# KiCad board RASBB.kicad_pcb (continued)
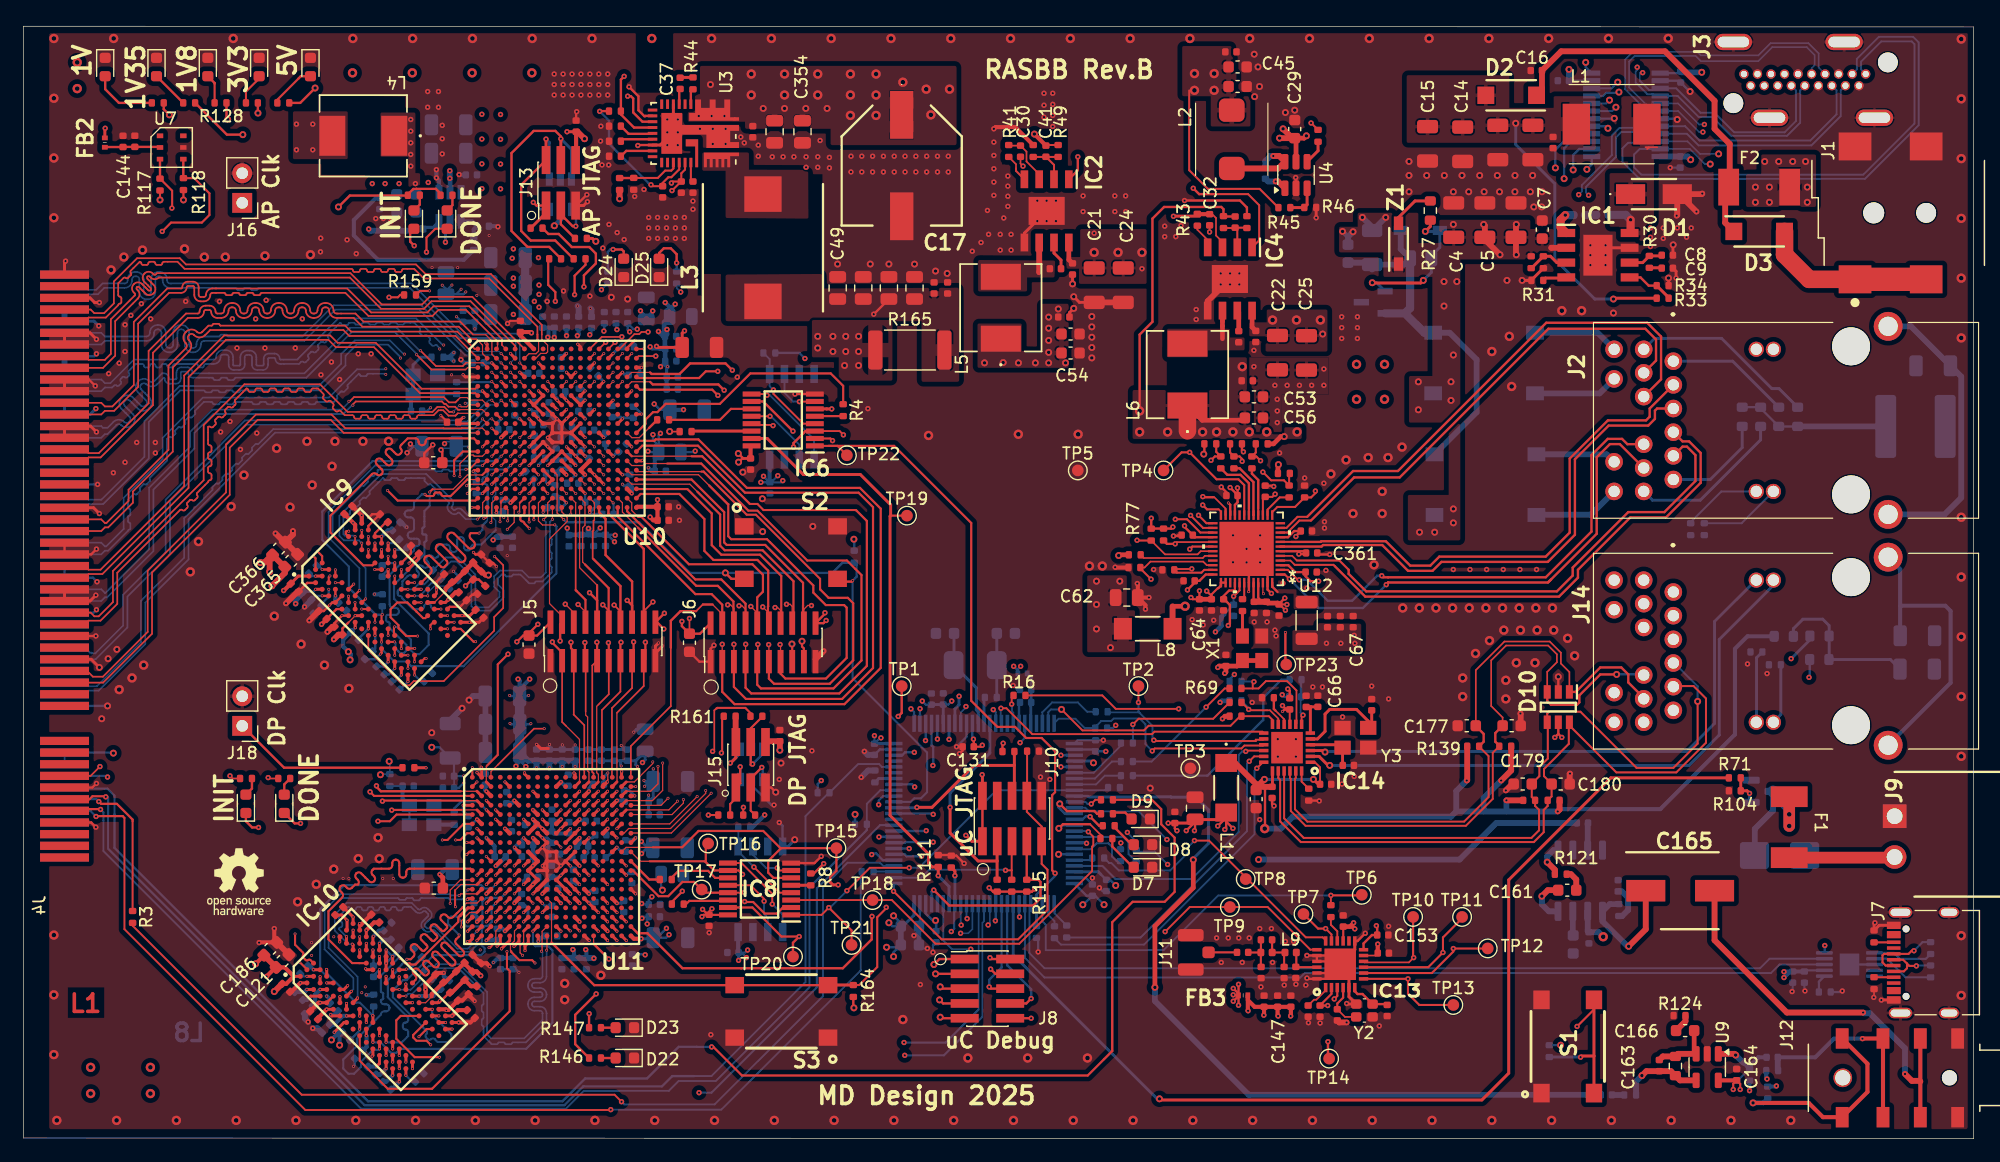
[diagram p0: board, top side]
## Routing (per net, layer and track width the routed paths; a pad name or vN(x,y) marks a point on that pad's centre or on a via; arc(x,y) is an arc through that point) (continued)
  Top w0.25: 111.04,30.4 v1(110.62,30.82) ; IC14.19 107.11,30.21
  Top w0.5: v4(131.57,28.07) 131.73,28.23 R142.2 ; R141.2 v4(127.17,29.02) ; 105.71,29.9 105.71,30.11 v1(106.42,30.82) ; 105.71,29.9 105.98,30.18 C174.1 ; 105.71,29.9 105.71,30.4 103.89,32.23 L11.1 ; v4(123.77,30.72) 123.81,30.76 R139.2 ; R140.2 127.58,31.58 v4(126.72,30.72)
  Bottom w0.25: v1(106.42,30.82) v1(110.62,30.82)
  Bottom w0.35: v4(131.57,28.07) 131.77,28.27 140.37,28.27 146.77,34.67 146.77,42.02 147.84,43.09 R143.1
  Bottom w0.5: 125.22,28.07 125.22,29.22 v4(126.72,30.72) ; 125.22,28.07 122.87,28.07 ; 125.22,28.07 127.17,28.07 ; 122.87,28.07 122.42,27.62 108.84,27.62 107.82,26.59 v3(106.44,26.59) ; 122.87,28.07 122.87,29.82 v4(123.77,30.72) ; 127.17,28.07 v4(131.57,28.07) ; 127.17,28.07 v4(127.17,29.02)
/POWER/12.8V: length 23.2
  Top w0.25: R33.1 136.41,72.09 v1(136.34,72.02)
  Bottom w0.25: v1(136.34,72.02) 134.75,72.02 131.32,75.44 131.32,81.92 127.97,85.27 v1(127.97,87.09)
/VSS_POE: length 32.5
  Bottom w0.5: D5.3 124.62,62.31 124.62,66.82 122.31,69.13 D4.3 ; C3.2 115.49,75.14 ; 115.66,74.55 R25.1 118.37,74.97 R26.1 118.11,76.31 U1.2
  Bottom w0.7: D4.3 120.13,69.13 118.47,70.79 ; 118.47,70.79 118.91,71.23 R26.1 ; 118.47,70.79 U2.2
GND: length 526.3
  Top w0.1: v2(50.12,31.37) 50.12,31.36 50.12,30.79 50.12,30.78 49.76,30.43
  Top w0.141: v4(85.72,83.42) 85.5,83.63 C30.2 ; C32.2 v4(101.72,77.77) ; IC9.J8 v2(33.54,47.69) ; v4(158.67,12.12) 158.7,12.14 R97.2
  Top w0.177: U10.U10 v2(46.57,54.54) ; C265.2 36.33,61.51 v2(35.8,62.04) ; C225.2 41.75,70.15 v4(41.52,69.92)
  Top w0.186: C80.2 29.58,52.56 IC9.B9 ; C87.2 33.23,50.2 IC9.G9
  Top w0.2: IC9.M1 30.72,41.67 v2(30.62,41.57) ; 105.09,50.39 U12.43 105.09,46.94 v2(105.07,46.92) ; C98.2 34.38,58.77 v4(35.11,59.51) ; IC13.20 110.08,15.71 v4(110.07,15.72) ; IC13.20 112.17,15.71 ; IC13.20 IC13.21 112.67,15.21 ; R111.1 79.52,24.33 R112.1 80,24.28 v4(80.67,23.61) ; C174.2 107.08,28.71 v4(107.24,28.55) ; C80.2 29.91,53.56 v2(29.62,53.27) ; v4(6.27,50.57) 5.82,50.12 J4.B25 J4.B26 ; U10.H3 v2(40.97,61.74) ; IC10.E2 IC10.E1 ; U10.H9 U10.G8 ; v1(64.52,29.72) 64.12,30.12 J15.5 ; IC9.P9 36.57,45.62 37.45,45.62 C94.2 38.49,46.66 38.6,46.66 38.67,46.73 C95.2 ; IC9.G1 v2(27.32,44.86) 26.68,44.22 C86.2 ; C173.2 108.59,38.41 v4(108.42,38.57) ; J4.A04 5.82,27.12 v4(6.22,26.72) ; v4(6.27,30.47) 5.92,30.12 J4.B07 ; v4(68.42,24.22) 67.84,23.64 IC8.8 ; 35.42,47.75 C77.2 ; 106.69,48.79 U12.47 106.69,47.1 v4(107.02,46.77) ; v4(99.57,80.47) 104.32,80.47 104.92,79.87 R52.1 ; v4(112.02,50.11) 111.08,50.11 ; U10.M5 v2(41.77,58.54) ; v2(38.57,57.24) 38.66,57.34 U10.P1 ; U10.J6 v2(42.57,61.74) ; v2(35.42,47.07) 35.42,46.74 IC9.M9 ; IC9.D1 v2(25.62,46.56) ; v4(80.02,33.62) C131.2 80.54,33.29 v4(80.27,33.02) ; IC13.13 114.41,16.96 v4(115.07,17.62) ; IC9.B3 v2(25.62,48.82) ; 25.04,47.67 24.35,47.67 C88.2 ; C363.2 103.16,55.45 v4(102.72,55.89) ; v4(110.07,13.77) 110.13,13.71 IC13.24 111.67,13.71 ; v4(111.12,28.97) 111.09,29 R134.1 ; C204.1 47.4,88.04 v4(47.45,88.09) ; v4(48.32,80.97) 47.39,80.04 J13.5 ; C358.2 99.24,51.77 99.21,51.74 99.02,51.74 98.97,51.69 v4(98.62,51.69) ; 57.31,86.56 U3.32/33 ; U3.16 52.73,85.23 v4(52.69,85.19) ; J4.B40 5.62,65.12 v4(6.17,64.57) ; J4.A18 v4(6.22,43.12) ; IC6.8 v4(66.17,63.87) ; IC13.23 112.17,14.21 ; U10.K7 v2(43.37,60.14) ; v2(40.57,49.09) 40.28,49.38 R89.2 39.26,50.1 ; D10.2 v1(131.62,39.62) ; C82.2 25.76,45.26 v2(26.27,45.77) 26.49,45.99 IC9.E1 IC9.E2 ; C68.2 107.16,56.01 v4(107.22,55.94) ; U10.K9 v2(44.97,60.14) ; U3.11 53.35,87.73 53.32,87.71 53.25,87.71 52.75,88.21 52.75,89.41 v4(51.94,90.22) ; v2(39.37,59.34) U10.L2 ; U10.J9 v2(45.77,61.74) ; v4(59.22,42.32) 58.93,42.03 J6.1 57.97,40.92 C126.1 ; C84.2 38.78,50.11 v2(38.59,50.29) ; 55.74,87.8 v4(56.12,87.42)
  Top w0.25: IC10.F9 v2(31.11,16.19) ; C93.2 39.08,44.3 IC9.T9 ; IC9.G8 v2(31.85,49.39) ; IC9.D8 v2(30.15,51.08) ; U11.J9 U11.K9 ; U11.J9 U11.J10 U11.K10 ; U11.J9 v2(44.5,25) ; U11.K9 U11.L9 ; U11.K9 U11.K10 ; U11.K9 v2(44.5,23.4) U11.L9 ; v4(158.77,18.52) 158.7,18.44 R98.2 159.14,18.3 J7.A12 ; U11.V13 48.5,17 ; v4(48.37,80.37) 48.04,80.04 J13.5 ; v1(90.07,71.22) 89.71,70.85 C50.2 ; U11.M9 U11.L9 ; U11.L9 U11.L8 ; U10.E14 v2(49.77,64.94) ; R34.2 141.08,73.81 v1(141.07,73.82) ; U10.J12 U10.K11 ; U10.K11 U10.L12 v2(48.17,59.34) ; U10.K11 U10.K10 ; U10.F7 v2(43.37,64.14) ; IC10.E1 v2(25.45,11.66) ; v4(3.62,75.27) 3.53,75.18 J4.A49 ; J4.B35 J4.B36 5.77,61.12 v4(6.27,60.62) ; U10.J10 U10.K10 ; U10.J10 v2(45.77,61.74) U10.H9 ; U10.J10 v2(46.57,61.74) U10.H11 ; U10.K10 U10.K9 U10.J9 U10.J8 v2(44.17,61.74) U10.H7 ; U10.K10 U10.L10 U10.L9 ; U11.J12 U11.K11 ; U11.K11 v2(46.9,23.4) ; U11.K11 v2(46.1,23.4) ; IC9.F9 v2(31.85,50.52) ; IC2.9 85.84,77.67 IC2.5 ; v2(32.23,13.88) 32.24,13.87 IC10.J8 ; U3.7 55.74,87.8 ; U10.N8 U10.M9 v2(44.97,59.34) U10.L8 U10.M7 ; U11.E4 v2(40.5,28.2) ; v4(6.52,71.72) 6.12,71.72 5.72,72.12 J4.B47 ; IC10.B3 v2(24.88,14.49) ; v1(89.97,73.32) 89.97,73.32 C27.2 ; J4.B16 5.82,41.12 v1(6.52,40.42) ; 49.76,30.43 49.7,30.36 U11.B15 v2(50.1,30.6) ; U10.G10 v2(45.77,63.34) U10.F9 ; U10.F11 U10.G12 v2(48.17,63.34) ; v2(37.71,65.53) 37.9,65.34 U10.D1 ; U10.H13 v2(48.97,62.54) ; IC10.G1 26.46,10.53 v2(26.36,10.63) ; IC9.J2 v2(29.58,43.73) ; v2(38.07,20.52) 38.15,20.6 U11.P1 ; v2(28.84,18.45) IC10.B9 ; IC10.A9 v2(28.28,19.02) 27.44,19.86 C112.2 ; U11.K10 v2(46.1,23.4) ; v2(46.1,23.4) U11.L10 ; v2(39.26,31.87) 39.3,31.83 U11.A2 v2(38.9,31.4) ; IC10.B1 v2(23.75,13.36) ; U10.R4 v2(40.97,56.14) ; U4.2 109.13,82.41 v4(109.1,82.44) ; v4(6.27,68.57) 5.72,69.12 J4.B44 J4.B43 ; v2(54.82,42.27) 54.2,41.65 ; U11.M5 v2(41.3,21.8) ; v2(49.77,56.14) U10.R14 v2(48.97,56.94) U10.P13 ; U11.F17 v2(50.9,26.6) ; v2(29.91,7.08) 29.97,7.14 IC10.M1 ; v1(128.52,73.62) 128.97,73.62 ; 128.97,73.62 129.29,73.62 R29.1 ; 128.97,73.62 R31.1 ; IC10.D8 v2(29.41,16.75) ; v1(90.07,72.22) 90.56,71.73 C21.2 ; U3.16 54.61,85.23 55.94,86.56 ; IC13.13 114.17,16.21 IC13.25 ; U11.M11 U11.N12 v2(47.7,21) ; U11.R4 v2(40.5,19.4) ; U11.C18 v2(52.43,29.4) ; U11.H3 v2(39.7,25.8) ; U11.N8 v2(43.7,21) ; U10.A2 39.77,68.14 v2(39.66,68.25) ; v2(47.37,56.94) U10.P11 U10.N10 ; U10.N12 v2(47.37,58.54) U10.M11 v2(46.57,59.34) ; U10.C8 v2(44.17,66.54) ; IC10.D1 24.65,12.23 v2(24.54,12.12) ; v2(46.57,65.74) U10.D11 v2(47.37,65.74) ; U11.N18 v2(52.5,21) ; U11.U10 v2(46.1,17.8) ; IC10.G8 v2(31.11,15.06) ; v2(47.22,31.37) 47.3,31.29 U11.A12 ; C9.2 141.72,74.4 v4(141.72,73.82) ; 48.13,17.4 v2(48.52,17.01) ; IC9.E8 v2(30.72,50.52) ; v4(6.52,53.62) 6.02,54.12 J4.B29 ; IC9.T1 v2(32.98,39.21) ; R46.1 v4(110.86,78.99) ; 45.02,33.47 44.37,33.47 v2(44.02,33.82) ; v2(40.54,53.69) 40.57,53.72 U10.V3 ; v4(6.22,46.62) 5.72,46.12 J4.B21 J4.B22 ; v2(44.5,25) U11.J8 ; v2(44.5,25) U11.H9 v2(44.5,25.8) U11.G8 ; IC10.E8 v2(29.97,16.19) ; IC10.T1 v2(32.24,4.87) ; U11.B5 v2(41.3,30.6) ; IC9.P1 v2(31.85,40.34) ; U11.H13 v2(48.5,25.8) ; U11.D11 v2(46.9,29) ; U11.V3 v2(39.7,17) ; U11.F11 v2(46.1,26.6) U11.G10 ; IC10.T9 v2(37.33,9.97) ; U11.F9 v2(44.5,27.4) ; U10.B15 v2(50.57,67.34) ; U11.F7 v2(42.9,27.4) ; IC10.J2 v2(28.84,9.4) ; U10.C18 52.99,66.14 v2(53,66.15) ; 34.49,12.77 v2(34.48,12.78) ; v2(47.7,26.6) U11.G12 U11.H11 ; IC10.P1 v2(31.11,6.01) ; IC1.7 135.66,76.41 ; U11.L2 v2(38.9,22.6) ; 113.67,14.21 IC13.5 113.67,12.17 Y2.2 113.52,11.54 v4(113.47,11.59) ; U11.J16 v2(50.9,25) ; v2(53.08,58.19) 53.03,58.14 U10.N18 ; IC10.G9 v2(31.67,15.62) ; v2(35.42,47.07) 35.42,47.75 ; U11.E14 v2(49.3,28.2) ; U11.P13 v2(48.5,20.2) U11.R14 v2(49.3,19.4) ; U11.L12 v2(47.7,22.6) ; U11.T7 v2(42.9,18.6) ; U10.B5 v2(41.77,67.34) ; U11.M15 v2(50.1,21.8) ; v2(47.54,68.15) 47.77,67.92 U10.A12 ; v2(54.47,42.52) 54.2,42.25 J5.19 ; v2(51.7,18.6) U11.T17 ; v2(46.9,20.2) U11.P11 v2(46.1,21) U11.N10 ; v4(159.32,11.89) 159.33,11.9 J7.A1 ; U11.J6 v2(42.1,25) ; U10.J16 v2(51.37,61.74) ; U11.C8 v2(43.7,29.8) ; U10.E4 v2(40.97,64.94) ; U11.D1 v2(37.72,28.6) ; U10.T7 v2(43.37,55.34) ; C8.2 141.45,76.65 v1(141.47,76.67) ; U11.M7 v2(42.9,21.8) ; U10.F17 v2(52.17,64.14) ; v2(50.57,58.54) U10.M15 ; J4.B40 J4.B39 ; U10.V13 v2(48.57,53.72) ; U11.K7 v2(42.9,23.4) ; U11.H7 v2(42.9,25.8)
  Top w0.35: C62.2 96.22,45.76 v4(96.22,45.42) ; C62.2 96.51,46.41 v4(96.52,46.42) ; C62.2 95.56,47.58 v4(95.52,47.62) ; v2(38.71,11.8) 38.19,12.32 C118.2 37.64,11.85 C117.2 36.47,11.05 36.27,11.05 36.22,11.1 IC10.P9 ; v2(36.06,14.22) 35.48,14.22 C100.2 34.48,13.22 v2(34.48,12.78) 34.5,12.76 IC10.M9 ; C116.2 38.34,9.97 37.33,9.97 v2(37.33,9.97) ; C103.2 28.94,18.33 28.84,18.33 ; IC10.F9 v2(31.11,15.06) ; v4(93.62,49.02) 93.65,48.99 R74.1 ; C111.2 22.99,12.6 v2(23.75,13.36) ; v4(21.52,18.02) 21.52,17.04 C186.2 20.24,16.84 v4(20.22,16.82) ; U10.T17 v2(52.17,55.34) ; IC9.A9 29.02,53.45 28.26,54.21 ; R50.1 85.05,86.77 83.37,86.77 v4(83.22,86.62) ; v2(25.45,11.66) 25.32,11.66 C105.2 ; v2(39.99,14.78) 39.72,15.05 R95.2 38.52,15.77 C107.2 ; U11.M9 U11.N8 ; U10.L9 v2(44.97,60.14)
  Top w0.4: 108.87,87.37 C29.2
  Top w0.5: v4(143.97,81.07) 143.92,81.02 D1.2 141.82,79.22 v4(141.77,79.17) ; C180.2 132.59,31.29 v4(132.62,31.32) ; C86.2 26.51,43.91 v4(26.07,43.47) ; C186.2 C121.2 ; v4(21.62,51.92) 22.37,51.17 C366.2 ; C21.2 C24.2 ; C149.2 112.84,9.97 v4(113.47,9.97) ; v4(24.52,44.45) C82.2 ; 127.67,30.42 v4(127.12,29.87) ; v4(22.52,45.92) 23.53,46.93 C88.2 ; C366.2 23.12,51.82 v4(23.12,52.12) ; C366.2 C365.2 ; 141.97,81.02 v4(143.47,79.52) ; C178.2 128.4,36.44 v4(128.37,36.47) ; 67.93,41.13 v2(68.63,41.83) ; IC4.9 101.56,71.83 IC4.5
  In3.Cu w0.2: v4(51.94,90.22) 52.32,89.84 52.32,89.27 51.32,88.27 51.32,83 56.96,77.37 56.96,74.45 57.78,73.63 72.83,73.63 v1(74.22,75.02)
  Bottom w0.177: C280.2 48.44,24.51 C287.2
  Bottom w0.186: IC12.74 76.88,18.3 ; v2(31.85,49.39) 31.83,49.37 30.97,49.37 C96.2 ; C134.2 152.72,12.72 v4(152.77,12.67) ; C143.2 78,16.57 v4(78,15.99) ; v4(151.67,12.62) 151.72,12.67 C136.2 ; IC12.26 90.41,34.18 C133.2 v4(92.61,34.18) ; v4(76.37,17.42) 76.79,17.84 ; v4(77.52,16.32) 77.09,16.32 ; U6.3 U6.11 ; v4(155.97,12.67) 155.88,12.58 R101.1 ; v2(31.85,50.52) 32.72,50.52 C85.2 ; v4(141.22,83.29) C123.2
  Bottom w0.2: J4.A20 6.02,45.12 v4(6.27,45.37) ; 32.3,38.53 v2(32.98,39.21) ; v4(57.61,58.98) 57.52,58.89 C221.2 ; C231.2 38.82,56.99 v2(38.57,57.24) ; v4(80.02,33.62) 80.88,34.48 IC12.10 ; v2(30.62,41.57) 30.18,41.13 C81.2 ; IC11.6 136.4,87.49 v1(136.42,87.52) ; 45.66,57.19 46.03,57.56 C190.2 ; v4(64.82,27.12) 65.1,26.83 IC7.4 ; v4(91.67,22.37) C129.2 91.08,22.39 IC12.49 ; C137.2 73.45,33.39 IC12.99 ; C124.2 142.89,89.82 v1(142.92,89.82) ; J4.A49 3.53,75.18 v4(3.62,75.27) ; C141.2 92.55,21.24 v4(92.27,21.52) ; J4.A04 5.82,27.12 v4(6.22,26.72) ; v4(6.32,47.77) 5.97,48.12 J4.A23 J4.A24 ; v1(141.82,87.42) 141.75,87.49 IC11.19 ; v4(87.02,16.02) 87.02,17.07 R113.2 ; C311.2 C312.2 42.23,14.54 v2(42.5,14.27) ; J4.A31 v4(6.37,56.12) ; v4(32.9,58.84) 33.46,59.39 C226.2 33.39,59.39 v4(33.19,59.59) ; D12.2 62.45,30.32 64.15,28.62 v4(64.37,28.62) ; v2(31.85,40.34) 31.34,39.83 C97.2 ; v2(25.62,48.82) 25.29,49.16 C83.2 ; C239.2 47.36,56.94 v2(47.37,56.94) ; IC12.19 85.38,37.34 ; v2(31.11,15.06) v2(31.67,15.62) v2(31.11,16.19) ; IC11.14 141.97,90.74 ; 38.54,63.14 38.48,63.08 v2(37.89,63.08) ; v2(28.31,6.2) 28.42,6.31 C104.2 ; C119.2 30.03,16.13 v2(29.97,16.19) ; C91.2 25.04,46.56 v2(25.62,46.56) ; C130.2 85.22,38.52 v4(84.87,38.87) ; v2(34.92,62.69) 34.65,62.42 C258.2 ; 46.72,27.22 v2(46.1,26.6) ; R84.2 37.24,48.32 v2(36.89,48.67) ; v2(43.37,60.14) 43.66,60.14 ; v4(51.94,90.22) 52.01,90.14 ; 28.76,42.91 v2(29.58,43.73) ; J4.A12 v1(7.22,37.12) ; J4.A42 6.07,67.12 v4(6.27,67.32) ; J4.A18 v4(6.22,43.12) ; 28.84,9.28 C99.2
  Bottom w0.25: 43.77,56.52 43.77,55.62 43.49,55.34 v2(43.37,55.34) ; v2(51.37,56.14) 51.5,56.01 C233.2 ; C194.2 C207.2 46.09,61.26 v2(46.57,61.74) ; 47.83,59 v2(47.37,58.54) ; C285.2 45.03,25.09 C291.2 ; C285.2 44.94,25 v2(44.5,25) ; C285.2 44.92,25.8 v2(44.5,25.8) ; 44.6,61.31 v2(44.17,61.74) 44.17,61.92 C209.2 43.55,62.54 v2(43.37,62.54) ; C229.2 41.13,53.36 v2(41.19,53.29) ; v2(42.9,25.8) 42.76,25.66 C281.2 42.3,25.2 v2(42.1,25) 42.1,24.85 C289.2 ; 47.84,59.01 v2(48.17,59.34) ; C189.2 44.17,57.79 v2(44.17,57.74) ; C346.2 37.72,28.1 v2(37.72,28.6) ; C187.2 52.59,35.12 v2(52.34,34.87) ; C75.2 40.72,61.49 v2(40.97,61.74) ; v2(45.77,63.34) 45.77,63.52 45.52,63.77 C201.2 ; C338.2 51.27,24.63 v2(50.9,25) ; C277.2 42.9,22.14 v2(42.9,21.8) ; C196.2 42.44,61.74 v2(42.57,61.74) ; C287.2 48.04,23.86 ; C235.2 51.15,67.92 v2(50.57,67.34) ; J4.A38 J4.A37 5.72,62.12 v4(6.22,62.62) ; v2(50.12,31.37) 49.79,31.04 C339.2 ; 45.02,62.19 45.47,61.74 v2(45.77,61.74) ; C336.2 48.79,25.8 v2(48.5,25.8) 48.44,25.74 C280.2 ; C326.2 48.6,20.3 v2(48.5,20.2) ; v4(6.47,69.72) 6.07,70.12 J4.A45 ; v2(44.02,33.82) 44,33.8 C297.2 C290.2 ; v2(50.9,25) 50.01,24.11 ; v2(50.9,25) 50.9,24.99 ; v2(38.07,20.52) 38.32,20.52 C313.2 ; 49.29,65.42 v2(49.77,64.94) ; C254.2 49.92,59.19 v2(50.57,58.54) 50.96,58.93 ; C234.2 51.46,61.83 v2(51.37,61.74) 51.22,61.89 C243.2 ; C255.2 49.15,54.3 v2(48.57,53.72) 48.73,53.56 C236.2 ; C293.2 45.86,21.24 v2(46.1,21) ; v2(48.17,63.34) 48.13,63.38 C261.2 ; C301.2 46.21,33.76 v2(46.22,33.77) ; 49.17,28.07 v2(49.3,28.2) ; 47.1,23.2 v2(46.9,23.4) ; C299.2 45.11,33.81 v2(45.12,33.82) ; v2(40.54,53.69) 41,53.69 ; C242.2 52.86,66.01 v2(53,66.15) ; v1(66.15,25.64) 65.56,25.06 IC7.4 ; C335.2 51.96,29.87 v2(52.43,29.4) ; 51.61,33.38 v2(51.27,33.72) ; v2(42.9,18.6) 43.28,18.98 43.28,19.73 42.99,20.02 C316.2 ; C298.2 v2(47.32,33.77) ; C230.2 46.15,54.12 v2(46.57,54.54) 46.02,55.09 C222.2 45.9,54.78 C230.2
  Bottom w0.35: C120.2 30.6,5.5 v2(31.11,6.01) ; C108.2 32.18,16.13 v2(31.67,15.62) ; R92.2 30.02,12.36 29.97,12.31 29.44,12.31 v2(29.41,12.34) ; R48.2 40.65,78.27 v4(40.69,78.22) ; C31.2 37.4,82.67 v4(37.37,82.69) ; C233.2 52.17,55.85 v2(52.17,55.34) ; v2(30.11,46.71) 30.13,46.69 R86.2 ; v4(35.42,83.12) v4(35.42,82.42) 35.64,82.2 IC3.1 ; R90.2 36.42,13.58 36.06,13.94 v2(36.06,14.22) ; v2(39.7,17) 39.75,17.05 C314.2 ; C101.2 31.56,4.2 v2(32.24,4.87) ; v2(26.36,10.63) 26.65,10.63 C238.2 ; v4(37.52,66.82) 37.79,66.55 C203.2 ; C114.2 24.33,11.9 v2(24.54,12.12) ; v2(32.88,52.46) 32.83,52.46 32.43,52.86 ; v2(24.88,14.49) 24.55,14.83 C106.2 ; 46.75,57.56 v2(47.37,56.94) ; C315.2 40.41,25.09 v2(39.7,25.8)
  Bottom w0.4: v1(45.54,78.31) 46.05,78.82 D11.2 ; C127.2 C128.2
  Bottom w0.5: C137.2 72.4,32.92 72.12,33.2 ; C223.2 48.72,71.12 v2(48.62,71.22) ; C91.2 24.71,46.21 v4(24.12,45.62) ; v2(47.52,71.42) 47.62,71.32 C224.2 ; C199.2 36.6,35.9 v1(37.62,36.92) ; v4(24.82,9.47) 25.23,9.47 C109.2 ; v4(24.42,10.02) 24.14,10.3 C102.2 ; v1(38.22,37.62) 38.57,37.97 39.6,37.97 39.62,37.95 C303.2 C304.2 ; R105.2 72.43,31.58 v4(71.85,31) ; J4.A45 J4.A46 ; J4.A41 J4.A42
  vias: v1(6.72,36.02) v1(7.27,41.17) v1(8.02,41.97) v1(35.02,34.82) v1(50.42,72.17) v1(51.82,72.02) v1(61.69,57.17) v1(63.37,54.89) v1(63.4,52.07) v1(64.97,32.22) v1(67.69,52.52) v1(69.82,75.02) v1(72.62,75.02) v1(76.42,75.02) v1(78.22,74.42) v1(79.22,74.22) v1(91.62,70.52) v1(91.62,69.63) v1(91.62,68.74) v1(91.62,67.86) v1(91.62,66.97) v1(96.63,30.07) v1(105.54,93.02) v1(105.58,89.38) v1(105.87,91.93) v1(106,90.25) v1(108.22,88.02) v1(109.02,88.22) v1(118.82,83.82) v1(118.82,82.62) v1(118.82,81.22) v1(120.33,82.62) v1(121.85,82.62) v1(122.62,81.22) v1(123.36,82.62) v1(123.94,81.22) v1(124.88,82.62) v1(125.26,81.22) v1(126.39,82.62) v1(126.58,81.22) v1(127.22,73.62) v1(127.91,82.62) v1(127.9,81.22) v1(129.22,81.22) v1(129.42,82.62) v1(129.52,79.92) v1(130.22,81.22) v1(130.19,79.92) v1(136.34,70.82) v2(24.72,16.82) v2(24.72,15.72) v2(26.62,17.32) v2(27.42,22.32) v2(27.92,22.32) v2(29.02,53.47) v2(29.02,12.52) v2(29.32,13.02) v2(30.82,22.32) v2(31.72,22.32) v2(35.04,74.72) v2(36.27,11) v2(36.72,65.52) v2(37.25,74.72) v2(37.36,45.69) v2(38.24,44.3) v2(38.89,72.33) v2(39.94,77.47) v2(41.49,50.01) v3(2.62,94.37) v3(2.62,89.24) v3(2.62,84.12) v3(2.62,78.99) v3(2.62,17.46) v3(2.62,12.34) v3(2.62,7.21) v3(2.87,1.57) v3(7.52,74.52) v3(7.75,94.37) v3(8,1.57) v3(8.22,38.52) v3(8.62,75.62) v3(9.32,39.52) v3(10.22,76.22) v3(10.32,40.62) v3(13.12,1.57) v3(13.82,76.32) v3(14.32,48.62) v3(15.02,51.22) v3(15.52,75.62) v3(17.32,75.62) v3(17.82,54.22) v3(18,94.37) v3(18.25,1.57) v3(18.92,56.92) v3(20.72,75.72) v3(21.52,44.82) v3(21.72,59.22) v3(22.87,54.17) v3(23.38,1.57) v3(23.52,20.32) v3(23.82,42.42) v3(24.32,59.82) v3(24.62,75.82) v3(24.77,56.07) v3(25.12,21.82) v3(25.82,40.62) v3(26.47,57.67) v3(26.62,23.12) v3(26.72,59.82) v3(27.92,38.62) v3(28.25,94.37) v3(28.5,1.57) v3(28.72,24.02) v3(29.12,59.82) v3(30.42,25.82) v3(30.52,24.02) v3(31.32,59.82) v3(33.38,94.37) v3(33.63,1.57) v3(38.51,94.37) v3(38.76,1.57) v3(43.64,94.37) v3(43.89,1.57) v3(46.42,13.32) v3(46.42,11.92) v3(48.76,94.37) v3(49.01,1.57) v3(49.52,14.02) v3(53.89,94.37) v3(54.14,1.57) v3(59.02,94.37) v3(59.27,1.57) v3(64.14,94.37) v3(64.39,1.57) v3(69.27,94.37) v3(69.52,1.57) v3(74.4,94.37) v3(74.65,1.57) v3(75.42,10.22) v3(77.62,60.32) v3(79.53,94.37) v3(79.78,1.57) v3(80.99,6.92) v3(84.65,94.37) v3(84.9,1.57) v3(85.32,60.42) v3(86.12,6.92) v3(89.78,94.37) v3(90.03,1.57) v3(90.45,60.42) v3(91.25,6.92) v3(91.42,49.12) v3(92.52,49.12) v3(94.91,94.37) v3(95.16,1.57) v3(100.03,94.37) v3(100.28,1.57) v3(105.16,94.37) v3(105.41,1.57) v3(110.29,94.37) v3(110.54,1.57) v3(112.12,57.02) v3(113.42,58.22) v3(114.02,53.62) v3(115.32,58.42) v3(115.41,94.37) v3(115.66,1.57) v3(115.82,49.22) v3(116.52,55.52) v3(116.52,53.62) v3(117.02,58.42) v3(118.22,59.32) v3(118.28,45.52) v3(119.7,45.52) v3(120.54,94.37) v3(120.79,1.57) v3(121.13,45.52) v3(122.56,45.52) v3(123.42,39.52) v3(123.42,37.92) v3(123.98,45.52) v3(124.52,41.62) v3(125.41,45.52) v3(125.67,94.37) v3(125.72,42.72) v3(125.92,67.52) v3(125.92,1.57) v3(126.84,45.52) v3(126.95,43.62) v3(127.12,39.32) v3(127.12,37.72) v3(127.42,68.82) v3(127.62,64.52) v3(128.02,40.82) v3(128.27,45.52) v3(128.37,43.62) v3(129.62,40.82) v3(129.69,45.52) v3(129.8,43.62) v3(130.79,94.37) v3(131.04,1.57) v3(131.12,45.52) v3(131.23,43.62) v3(131.92,71.02) v3(132.42,42.92) v3(133.02,41.42) v3(133.62,71.02) v3(135.92,94.37) v3(136.17,1.57) v3(141.05,94.37) v3(141.3,1.57) v3(146.43,1.57) v3(151.55,1.57) v3(166.17,94.32) v3(166.17,89.19) v3(166.17,84.07) v3(166.17,78.94) v3(166.17,73.81) v3(166.17,68.69) v3(166.17,53.3) v3(166.17,48.18) v3(166.17,43.05) v3(166.17,37.92) v3(166.17,32.8) v3(166.17,17.41) v3(166.17,12.29) v4(7.32,65.62) v4(7.72,57.12) v4(8.22,66.52) v4(8.72,69.82) v4(8.72,67.52) v4(8.72,58.02) v4(9.22,70.62) v4(9.72,59.72) v4(10.12,71.62) v4(10.92,70.32) v4(11.32,59.72) v4(11.32,58.82) v4(13.92,71.82) v4(16.82,71.82) v4(16.92,60.62) v4(17.72,61.52) v4(17.92,70.32) v4(18.32,67.82) v4(18.62,59.12) v4(19.92,70.32) v4(20.02,60.52) v4(20.72,67.82) v4(20.82,71.92) v4(23.32,67.82) v4(23.92,70.32) v4(25.5,77.24) v4(25.48,76.07) v4(25.52,65.52) v4(26.42,66.62) v4(27.12,65.12) v4(27.76,77.1) v4(28.55,75.91) v4(28.72,67.32) v4(29.82,67.32) v4(30.22,78.92) v4(30.87,78.92) v4(31.52,78.67) v4(34.67,89.82) v4(34.67,88.47) v4(35.6,89.82) v4(35.6,88.47) v4(35.92,86.92) v4(35.92,85.77) v4(35.92,84.47) v4(44.92,71.82) v4(45.52,91.32) v4(45.52,90.42) v4(45.52,89.52) v4(46.29,91.32) v4(46.29,90.42) v4(46.29,89.52) v4(46.32,72.71) v4(47.05,91.32) v4(47.05,90.42) v4(47.05,89.52) v4(47.82,91.32) v4(47.82,90.42) v4(47.82,89.52) v4(48.58,91.32) v4(48.58,90.42) v4(48.58,89.52) v4(48.58,72.27) v4(49.35,91.32) v4(49.35,90.42) v4(49.35,89.52) v4(49.52,86.84) v4(49.5,85.57) v4(49.62,83.52) v4(49.69,76.39) v4(50.11,91.32) v4(50.11,90.42) v4(50.11,89.52) v4(50.19,83.52) v4(50.22,78.42) v4(50.92,77.72) v4(51.52,77.12) v4(52.42,80.82) v4(53.22,81.42) v4(53.62,79.02) v4(53.62,78.12) v4(53.62,77.22) v4(54.39,79.02) v4(54.39,78.12) v4(54.39,77.22) v4(55.15,79.02) v4(55.15,78.12) v4(55.15,77.22) v4(55.22,87.42) v4(55.22,86.32) v4(55.22,85.22) v4(55.92,79.02) v4(55.92,78.12) v4(55.92,77.22) v4(56.12,86.32) v4(56.12,85.22) v4(56.19,54.2) v4(56.26,53.04) v4(56.68,79.02) v4(56.68,78.12) v4(56.68,77.22) v4(57.42,80.42) v4(57.42,79.72) v4(58.02,86.62) v4(58.81,17.67) v4(58.95,8.92) v4(59.12,86.62) v4(59.12,85.32) v4(60.22,86.62) v4(60.22,85.32) v4(61.22,65.32) v4(61.52,85.92) v4(61.82,85.42) v4(63.02,85.22) v4(63.02,84.27) v4(64.22,84.22) v4(64.82,30.82) v4(65.15,84.22) v4(66.07,84.22) v4(67.12,84.22) v4(67.12,83.32) v4(67.62,33.27) v4(68.12,84.22) v4(68.12,83.32) v4(68.32,85.62) v4(69.12,84.17) v4(69.12,83.27) v4(70.97,84.27) v4(70.97,82.92) v4(71.9,84.27) v4(71.9,82.92) v4(72.12,33.22) v4(72.42,62.62) v4(72.82,84.27) v4(72.82,82.92) v4(73.75,84.27) v4(73.75,82.92) v4(74.68,84.27) v4(74.68,82.92) v4(75.6,84.27) v4(75.6,82.92) v4(76.53,84.27) v4(76.53,82.92) v4(76.92,13.22) v4(77.46,84.27) v4(77.46,82.92) v4(78.39,84.27) v4(78.39,82.92) v4(79.31,84.27) v4(79.31,82.92) v4(81.37,76.12) v4(82.12,76.87) v4(82.67,79.62) v4(82.77,77.57) v4(83.22,85.48) v4(83.22,84.34) v4(83.22,83.2) v4(83.22,82.05) v4(83.22,80.91) v4(83.77,77.57) v4(83.77,76.22) v4(84.07,78.97) v4(84.42,82.57) v4(84.42,81.7) v4(84.42,80.84) v4(84.42,79.97) v4(84.7,77.57) v4(84.7,76.22) v4(86.94,80.45) v4(86.94,78.7) v4(87.22,31.02) v4(87.52,89.67) v4(87.52,88.64) v4(87.52,87.62) v4(87.75,80.45) v4(87.75,78.7) v4(88.02,30.82) v4(88.27,89.67) v4(88.27,88.72) v4(88.27,87.77) v4(88.27,86.82) v4(88.54,80.45) v4(88.54,78.7) v4(90.87,80.87) v4(90.87,79.52) v4(93.59,80.87) v4(93.59,79.52) v4(94.52,80.87) v4(94.52,79.52) v4(96.92,48.82) v4(97.87,78.27) v4(97.87,77.37) v4(98.82,77.37) v4(99.27,78.32) v4(100.22,44.52) v4(100.57,71.12) v4(100.57,70.27) v4(101.17,44.07) v4(102.07,44.47) v4(102.32,17.22) v4(102.67,74.22) v4(102.67,73.27) v4(102.72,15.12) v4(103.32,17.22) v4(103.47,74.22) v4(103.47,73.27) v4(103.73,51.75) v4(103.73,49.44) v4(104.22,17.22) v4(104.27,74.22) v4(104.27,73.27) v4(104.52,15.12) v4(104.89,50.59) v4(104.89,49.43) v4(105.12,17.22) v4(105.37,37.42) v4(105.52,67.62) v4(105.52,66.22) v4(105.54,44.32) v4(106.05,51.75) v4(106.05,50.59) v4(106.05,49.43) v4(106.01,27.37) v4(106.02,18.02) v4(106.12,13.02) v4(106.65,44.32) v4(107.02,18.02) v4(107.12,15.12) v4(107.32,64.62) v4(107.32,43.62) v4(107.42,43.12) v4(107.52,63.42) v4(107.52,62.42) v4(107.52,61.42) v4(107.57,34.27) v4(107.57,32.77) v4(107.72,58.82) v4(108.01,47.64) v4(108.12,13.17) v4(108.22,16.92) v4(108.37,64.62) v4(108.92,16.92) v4(109.12,34.27) v4(109.12,32.77) v4(109.12,13.24) v4(109.42,64.62) v4(109.87,56.67) v4(110.07,47.22) v4(109.97,13.17) v4(110.19,9.94) v4(110.47,64.62) v4(110.57,38.74) v4(111.19,9.92) v4(111.4,38.74) v4(111.52,66.02) v4(111.52,64.62) v4(111.52,56.22) v4(111.57,52.92) v4(111.57,52.37) v4(111.69,48.74) v4(113.04,70.49) v4(113.04,69.57) v4(113.04,68.64) v4(113.07,30.42) v4(113.12,36.17) v4(114.12,31.07) v4(114.4,70.49) v4(114.4,69.57) v4(114.4,68.64) v4(115.62,38.82) v4(116.27,9.67) v4(117.07,37.72) v4(117.07,18.22) v4(122.62,48.82) v4(124.05,48.82) v4(125.47,48.82) v4(126.9,48.82) v4(128.33,48.82) v4(129.75,48.82) v4(134.37,76.63) v4(134.37,75.78) v4(134.37,74.93) v4(135.67,76.63) v4(135.67,75.78) v4(135.67,74.93) v4(139.52,78.12) v4(139.52,77.32) v4(139.52,76.52) v4(140.62,78.12) v4(140.62,77.22) v4(141.82,78.12) v4(142.62,77.32) v4(143.02,78.12) v4(147.84,40.72) v4(149.52,39.89)
